# Allegro board HB1A-AAFM.brd (continued)
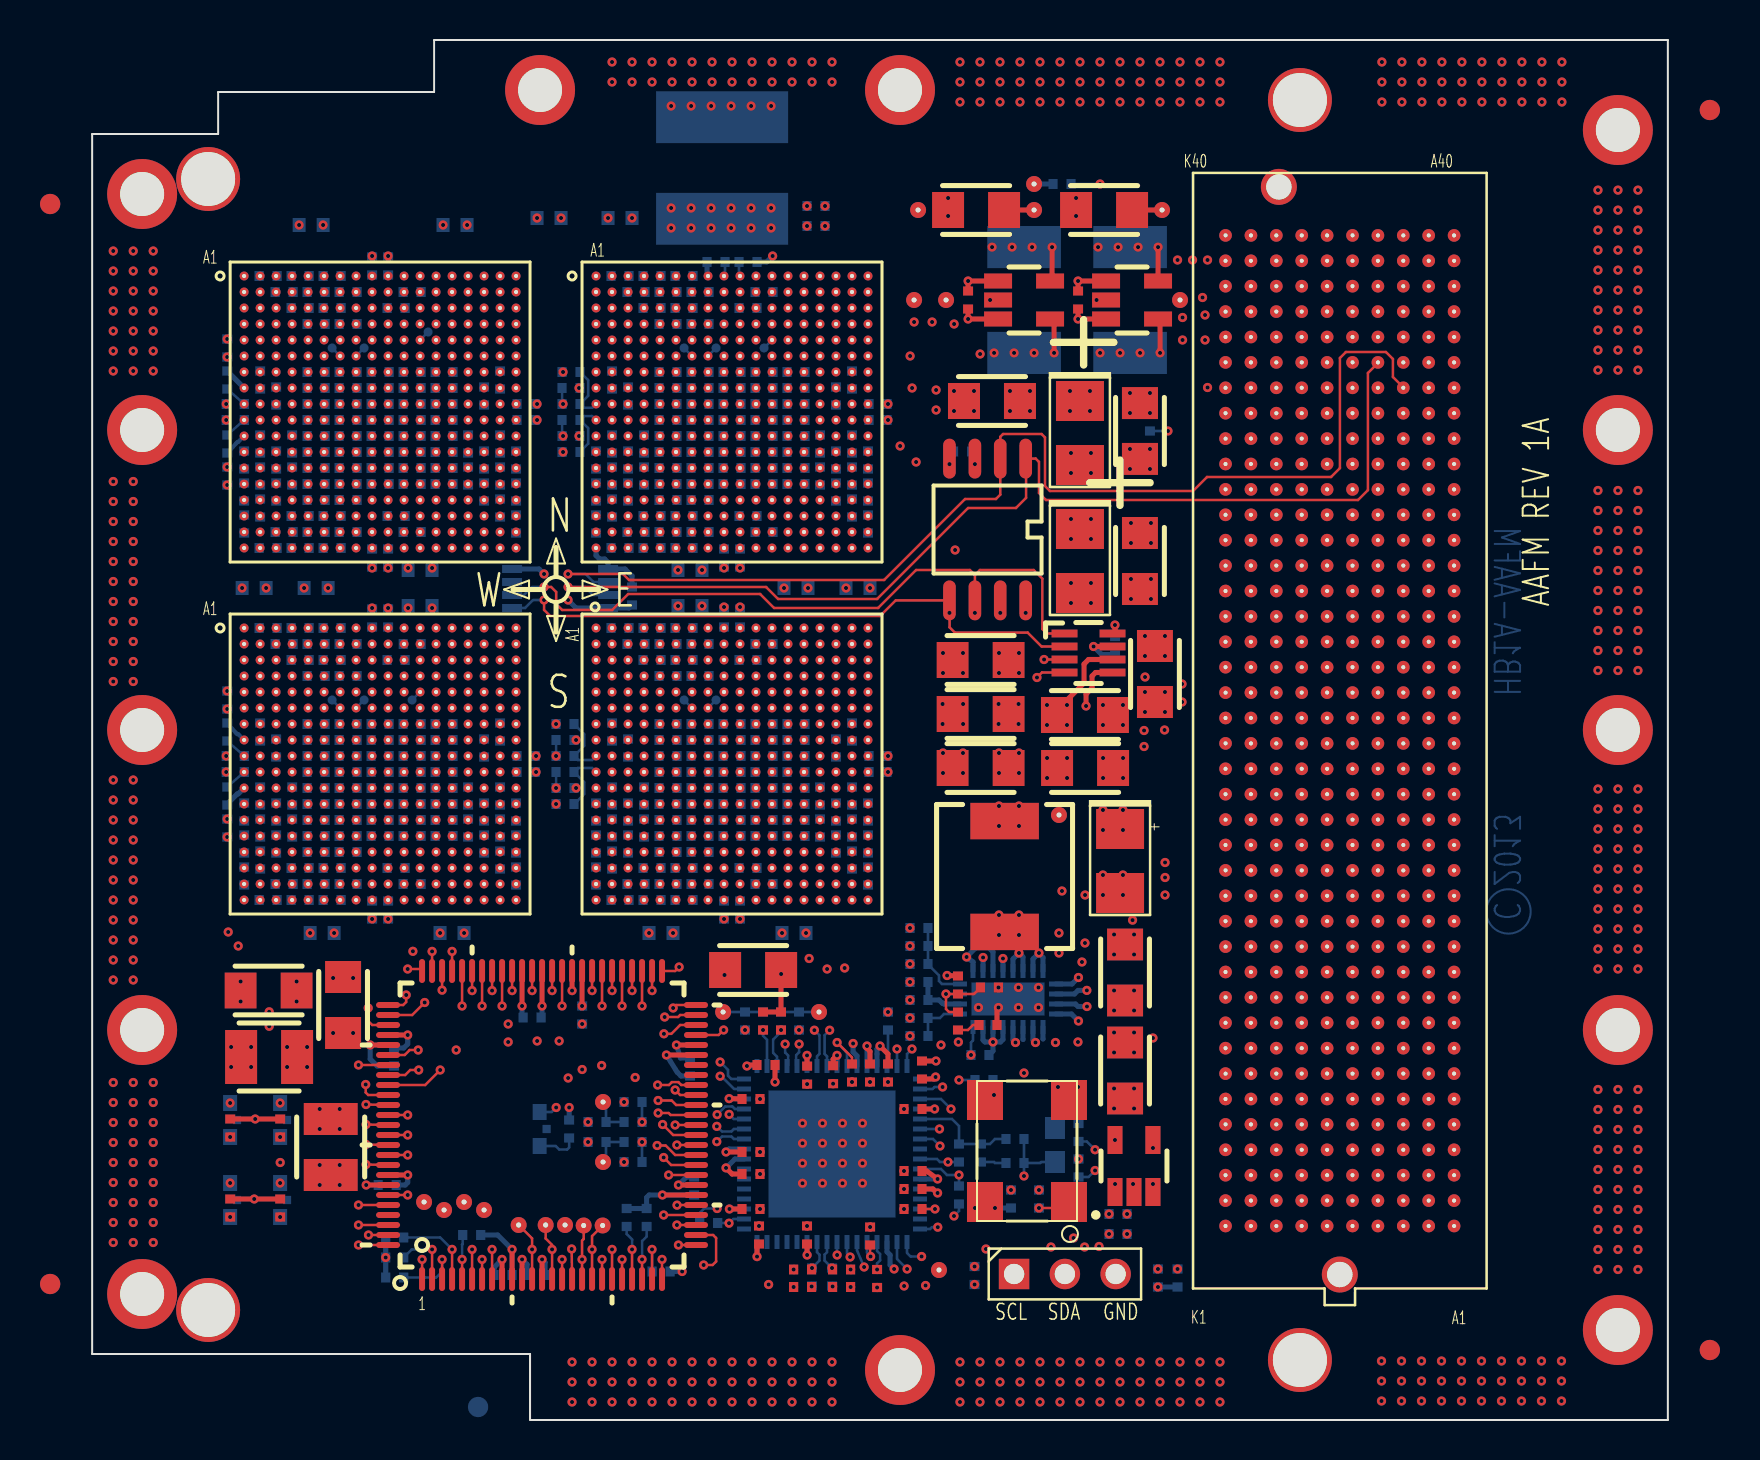
[diagram p0: board, top side]
## Routing (per net, layer and track width the routed paths; a pad name or vN(x,y) marks a point on that pad's centre or on a via; arc(x,y) is an arc through that point) (continued)
; P1.C21 65.96,35.49 ; P1.C21 65.18,34.71 ; 65.18,56.3 P1.C38 ; P1.C38 65.96,56.3 ; P1.C38 65.96,57.08 ; P1.C38 65.18,57.08 ; 60.1,25.82 P1.G14 ; P1.G14 60.88,25.82 ; P1.G14 60.88,26.6 ; P1.G14 60.1,26.6 ; 67.72,28.36 P1.A16 ; P1.A16 67.72,29.14 ; P1.A16 68.5,29.14 ; P1.A16 68.5,28.36 ; 35.27,48.88 U4.L14 ; U4.L14 35.92,49.52 ; U4.L14 35.92,48.88 ; U4.L14 35.27,49.52 ; 67.72,34.22 P1.A20 ; P1.A20 68.5,34.22 ; P1.A20 67.72,33.44 ; P1.A20 68.5,33.44 ; U8.N12 34.33,29.68 ; U8.N12 34.33,30.32 ; U8.N12 33.67,29.68 ; U8.N12 33.67,30.32 ; U8.T3 27.12,27.93 ; U8.T3 26.48,27.93 ; U8.T3 27.12,27.27 ; U8.T3 26.48,27.27 ; U8.R15 36.72,28.07 ; U8.R15 36.08,28.73 ; U8.R15 36.08,28.07 ; U8.R15 36.72,28.73 ; U4.B17 38.33,56.73 ; U4.B17 38.33,56.08 ; U4.B17 37.67,56.08 ; U4.B17 37.67,56.73 ; U8.N8 31.12,30.32 ; U8.N8 30.47,30.32 ; U8.N8 30.47,29.68 ; U8.N8 31.12,29.68 ; 67.72,9.31 P1.A1 ; P1.A1 68.5,9.31 ; P1.A1 68.5,10.09 ; P1.A1 67.72,10.09 ; U7.F13 17.52,35.92 ; U7.F13 16.88,35.27 ; U7.F13 17.52,35.27 ; U7.F13 16.88,35.92 ; U7.M5 11.12,31.12 ; U7.M5 11.12,30.48 ; U7.M5 10.48,30.48 ; U7.M5 10.48,31.12 ; P1.F15 62.15,27.09 ; P1.F15 61.37,27.87 ; P1.F15 62.15,27.87 ; P1.F15 61.37,27.09 ; U3.A18 21.52,57.52 ; U3.A18 21.52,56.88 ; U3.A18 20.88,57.52 ; U3.A18 20.88,56.88 ; 30.47,52.08 U4.G8 ; U4.G8 31.12,52.73 ; U4.G8 31.12,52.08 ; U4.G8 30.47,52.73 ; P1.B31 67.23,47.41 ; P1.B31 66.45,47.41 ; P1.B31 67.23,48.19 ; P1.B31 66.45,48.19 ; 18.48,28.73 U7.R15 ; U7.R15 19.12,28.07 ; U7.R15 18.48,28.07 ; U7.R15 19.12,28.73 ; U4.V1 25.52,43.92 ; U4.V1 24.88,43.27 ; U4.V1 25.52,43.27 ; U4.V1 24.88,43.92 ; P1.H36 59.61,53.76 ; P1.H36 58.83,54.54 ; P1.H36 59.61,54.54 ; P1.H36 58.83,53.76 ; U7.T16 19.92,27.27 ; U7.T16 19.27,27.93 ; U7.T16 19.27,27.27 ; U7.T16 19.92,27.93 ; 56.29,35.49 P1.K21 ; P1.K21 56.29,34.71 ; P1.K21 57.07,35.49 ; P1.K21 57.07,34.71 ; U7.D4 10.32,37.52 ; U7.D4 9.67,37.52 ; U7.D4 9.67,36.88 ; U7.D4 10.32,36.88 ; P1.A29 68.5,45.65 ; P1.A29 67.72,44.87 ; P1.A29 67.72,45.65 ; P1.A29 68.5,44.87 ; 27.27,45.67 U4.R4 ; U4.R4 27.92,46.33 ; U4.R4 27.27,46.33 ; U4.R4 27.92,45.67 ; U7.N12 16.73,30.32 ; U7.N12 16.07,30.32 ; U7.N12 16.07,29.68 ; U7.N12 16.73,29.68 ; 58.83,11.36 P1.H2 ; P1.H2 59.61,11.36 ; P1.H2 59.61,10.58 ; P1.H2 58.83,10.58 ; 66.45,36.76 P1.B22 ; P1.B22 67.23,36.76 ; P1.B22 66.45,35.98 ; P1.B22 67.23,35.98 ; U8.A18 39.12,39.27 ; U8.A18 38.47,39.27 ; U8.A18 39.12,39.92 ; U8.A18 38.47,39.92 ; 30.47,31.93 U8.L8 ; U8.L8 30.47,31.27 ; U8.L8 31.12,31.93 ; U8.L8 31.12,31.27 ; U4.G12 34.33,52.73 ; U4.G12 33.67,52.08 ; U4.G12 34.33,52.08 ; U4.G12 33.67,52.73 ; 65.18,28.36 P1.C16 ; P1.C16 65.18,29.14 ; P1.C16 65.96,29.14 ; P1.C16 65.96,28.36 ; 18.48,54.48 U3.D15 ; U3.D15 19.12,55.12 ; U3.D15 19.12,54.48 ; U3.D15 18.48,55.12 ; 32.88,32.73 U8.K11 ; U8.K11 33.52,32.73 ; U8.K11 32.88,32.08 ; U8.K11 33.52,32.08 ; 25.67,44.73 U4.U2 ; U4.U2 25.67,44.08 ; U4.U2 26.32,44.73 ; U4.U2 26.32,44.08 ; U8.C16 37.52,37.67 ; U8.C16 37.52,38.33 ; U8.C16 36.88,37.67 ; U8.C16 36.88,38.33 ; 63.91,20.74 P1.D10 ; P1.D10 64.69,20.74 ; P1.D10 63.91,21.52 ; P1.D10 64.69,21.52 ; U7.M13 17.52,31.12 ; U7.M13 16.88,31.12 ; U7.M13 17.52,30.48 ; U7.M13 16.88,30.48 ; 67.72,18.98 P1.A8 ; P1.A8 68.5,18.2 ; P1.A8 67.72,18.2 ; P1.A8 68.5,18.98 ; U3.U2 8.73,44.73 ; U3.U2 8.73,44.08 ; U3.U2 8.07,44.73 ; U3.U2 8.07,44.08 ; P1.C17 65.96,29.63 ; P1.C17 65.96,30.41 ; P1.C17 65.18,29.63 ; P1.C17 65.18,30.41 ; 31.27,32.08 U8.K9 ; U8.K9 31.92,32.08 ; U8.K9 31.92,32.73 ; U8.K9 31.27,32.73 ; 62.64,15.17 P1.E5 ; P1.E5 63.42,15.17 ; P1.E5 63.42,14.39 ; P1.E5 62.64,14.39 ; 66.45,51.22 P1.B34 ; P1.B34 67.23,52 ; P1.B34 66.45,52 ; P1.B34 67.23,51.22 ; 28.88,53.67 U4.E6 ; U4.E6 29.52,53.67 ; U4.E6 28.88,54.33 ; U4.E6 29.52,54.33 ; 32.88,39.27 U8.A11 ; U8.A11 33.52,39.27 ; U8.A11 32.88,39.92 ; U8.A11 33.52,39.92 ; 29.67,48.73 U4.M7 ; U4.M7 29.67,48.08 ; U4.M7 30.32,48.08 ; U4.M7 30.32,48.73 ; 29.67,28.88 U8.P7 ; U8.P7 30.32,28.88 ; U8.P7 29.67,29.52 ; U8.P7 30.32,29.52 ; P1.B35 67.23,53.27 ; P1.B35 66.45,53.27 ; P1.B35 66.45,52.49 ; P1.B35 67.23,52.49 ; U8.F13 35.12,35.27 ; U8.F13 34.47,35.27 ; U8.F13 35.12,35.92 ; U8.F13 34.47,35.92 ; U7.A8 13.52,39.92 ; U7.A8 12.88,39.27 ; U7.A8 13.52,39.27 ; U7.A8 12.88,39.92 ; U8.T16 37.52,27.93 ; U8.T16 36.88,27.93 ; U8.T16 37.52,27.27 ; U8.T16 36.88,27.27 ; U4.N10 32.72,47.27 ; U4.N10 32.08,47.27 ; U4.N10 32.08,47.92 ; U4.N10 32.72,47.92 ; 57.56,26.6 P1.J14 ; P1.J14 58.34,26.6 ; P1.J14 57.56,25.82 ; P1.J14 58.34,25.82 ; P1.D3 64.69,11.85 ; P1.D3 64.69,12.63 ; P1.D3 63.91,12.63 ; P1.D3 63.91,11.85 ; U4.P9 31.92,47.12 ; U4.P9 31.27,47.12 ; U4.P9 31.92,46.48 ; U4.P9 31.27,46.48 ; U4.M11 33.52,48.73 ; U4.M11 32.88,48.73 ; U4.M11 32.88,48.08 ; U4.M11 33.52,48.08 ; U4.H5 28.72,51.92 ; U4.H5 28.07,51.27 ; U4.H5 28.07,51.92 ; U4.H5 28.72,51.27 ; 12.88,34.48 U7.G8 ; U7.G8 13.52,35.12 ; U7.G8 12.88,35.12 ; U7.G8 13.52,34.48 ; P1.J20 58.34,34.22 ; P1.J20 57.56,33.44 ; P1.J20 58.34,33.44 ; P1.J20 57.56,34.22 ; 17.67,34.48 U7.G14 ; U7.G14 18.32,35.12 ; U7.G14 17.67,35.12 ; U7.G14 18.32,34.48 ; U4.F14 35.92,53.52 ; U4.F14 35.27,53.52 ; U4.F14 35.92,52.88 ; U4.F14 35.27,52.88 ; U3.L12 16.73,48.88 ; U3.L12 16.07,49.52 ; U3.L12 16.73,49.52 ; U3.L12 16.07,48.88 ; 58.83,27.09 P1.H15 ; P1.H15 59.61,27.87 ; P1.H15 59.61,27.09 ; P1.H15 58.83,27.87 ; 26.48,38.33 U8.C3 ; U8.C3 27.12,37.67 ; U8.C3 27.12,38.33 ; U8.C3 26.48,37.67 ; 57.56,22.79 P1.J11 ; P1.J11 58.34,22.79 ; P1.J11 57.56,22.01 ; P1.J11 58.34,22.01 ; P1.J8 58.34,18.98 ; P1.J8 57.56,18.2 ; P1.J8 57.56,18.98 ; P1.J8 58.34,18.2 ; 31.27,48.08 U4.M9 ; U4.M9 31.92,48.08 ; U4.M9 31.92,48.73 ; U4.M9 31.27,48.73 ; U4.V18 39.12,43.27 ; U4.V18 39.12,43.92 ; U4.V18 38.47,43.92 ; U4.V18 38.47,43.27 ; U3.J12 16.73,51.12 ; U3.J12 16.07,50.48 ; U3.J12 16.73,50.48 ; U3.J12 16.07,51.12 ; 66.45,11.85 P1.B3 ; P1.B3 66.45,12.63 ; P1.B3 67.23,11.85 ; P1.B3 67.23,12.63 ; U8.D4 27.92,37.52 ; U8.D4 27.27,37.52 ; U8.D4 27.27,36.88 ; U8.D4 27.92,36.88 ; 67.72,14.39 P1.A5 ; P1.A5 68.5,15.17 ; P1.A5 67.72,15.17 ; P1.A5 68.5,14.39 ; 31.27,29.52 U8.P9 ; U8.P9 31.92,28.88 ; U8.P9 31.27,28.88 ; U8.P9 31.92,29.52 ; 12.88,49.52 U3.L8 ; U3.L8 13.52,48.88 ; U3.L8 13.52,49.52 ; U3.L8 12.88,48.88 ; U7.K5 11.12,32.08 ; U7.K5 11.12,32.73 ; U7.K5 10.48,32.08 ; U7.K5 10.48,32.73 ; U3.A8 13.52,56.88 ; U3.A8 12.88,57.52 ; U3.A8 13.52,57.52 ; U3.A8 12.88,56.88 ; U3.P5 11.12,46.48 ; U3.P5 10.48,46.48 ; U3.P5 10.48,47.12 ; U3.P5 11.12,47.12 ; 65.18,33.44 P1.C20 ; P1.C20 65.18,34.22 ; P1.C20 65.96,34.22 ; P1.C20 65.96,33.44 ; U4.G14 35.92,52.73 ; U4.G14 35.27,52.08 ; U4.G14 35.92,52.08 ; U4.G14 35.27,52.73 ; 34.47,48.08 U4.M13 ; U4.M13 35.12,48.73 ; U4.M13 34.47,48.73 ; U4.M13 35.12,48.08 ; 28.07,48.73 U4.M5 ; U4.M5 28.07,48.08 ; U4.M5 28.72,48.08 ; U4.M5 28.72,48.73 ; 13.67,47.12 U3.P9 ; U3.P9 14.32,47.12 ; U3.P9 14.32,46.48 ; U3.P9 13.67,46.48 ; U3.N12 16.73,47.92 ; U3.N12 16.73,47.27 ; U3.N12 16.07,47.27 ; U3.N12 16.07,47.92 ; 32.08,30.32 U8.N10 ; U8.N10 32.72,30.32 ; U8.N10 32.08,29.68 ; U8.N10 32.72,29.68 ; 34.47,36.08 U8.E13 ; U8.E13 35.12,36.08 ; U8.E13 34.47,36.73 ; U8.E13 35.12,36.73 ; 28.88,47.27 U4.N6 ; U4.N6 29.52,47.92 ; U4.N6 28.88,47.92 ; U4.N6 29.52,47.27 ; U7.J10 15.12,33.52 ; U7.J10 14.48,32.88 ; U7.J10 14.48,33.52 ; U7.J10 15.12,32.88 ; U3.H5 11.12,51.92 ; U3.H5 10.48,51.27 ; U3.H5 10.48,51.92 ; U3.H5 11.12,51.27 ; 16.88,32.73 U7.K13 ; U7.K13 16.88,32.08 ; U7.K13 17.52,32.08 ; U7.K13 17.52,32.73 ; P1.E8 63.42,18.98 ; P1.E8 63.42,18.2 ; P1.E8 62.64,18.2 ; P1.E8 62.64,18.98 ; 61.37,50.73 P1.F33 ; P1.F33 61.37,49.95 ; P1.F33 62.15,49.95 ; P1.F33 62.15,50.73 ; U3.E5 11.12,54.33 ; U3.E5 10.48,53.67 ; U3.E5 11.12,53.67 ; U3.E5 10.48,54.33 ; P1.F12 62.15,23.28 ; P1.F12 61.37,24.06 ; P1.F12 62.15,24.06 ; P1.F12 61.37,23.28 ; P1.J5 58.34,15.17 ; P1.J5 58.34,14.39 ; P1.J5 57.56,15.17 ; P1.J5 57.56,14.39 ; U8.H11 33.52,33.67 ; U8.H11 32.88,33.67 ; U8.H11 32.88,34.33 ; U8.H11 33.52,34.33 ; 11.27,29.68 U7.N6 ; U7.N6 11.27,30.32 ; U7.N6 11.92,29.68 ; U7.N6 11.92,30.32 ; U8.N6 29.52,30.32 ; U8.N6 28.88,29.68 ; U8.N6 28.88,30.32 ; U8.N6 29.52,29.68 ; 58.83,35.49 P1.H21 ; P1.H21 58.83,34.71 ; P1.H21 59.61,34.71 ; P1.H21 59.61,35.49 ; 31.27,50.33 U4.K9 ; U4.K9 31.92,49.67 ; U4.K9 31.92,50.33 ; U4.K9 31.27,49.67 ; 20.88,26.32 U7.V18 ; U7.V18 21.52,26.32 ; U7.V18 20.88,25.68 ; U7.V18 21.52,25.68 ; P1.D28 64.69,43.6 ; P1.D28 64.69,44.38 ; P1.D28 63.91,43.6 ; P1.D28 63.91,44.38 ; U4.P13 35.12,47.12 ; U4.P13 34.47,46.48 ; U4.P13 34.47,47.12 ; U4.P13 35.12,46.48 ; U4.V11 33.52,43.92 ; U4.V11 32.88,43.27 ; U4.V11 33.52,43.27 ; U4.V11 32.88,43.92 ; 65.18,48.68 P1.C32 ; P1.C32 65.96,48.68 ; P1.C32 65.96,49.46 ; P1.C32 65.18,49.46 ; P1.J26 58.34,41.06 ; P1.J26 57.56,41.06 ; P1.J26 58.34,41.84 ; P1.J26 57.56,41.84 ; U4.L1 25.52,49.52 ; U4.L1 24.88,49.52 ; U4.L1 25.52,48.88 ; U4.L1 24.88,48.88 ; U3.C3 9.52,55.92 ; U3.C3 8.88,55.92 ; U3.C3 8.88,55.27 ; U3.C3 9.52,55.27 ; U7.A1 7.92,39.27 ; U7.A1 7.27,39.27 ; U7.A1 7.92,39.92 ; U7.A1 7.27,39.92 ; P1.A36 68.5,54.54 ; P1.A36 67.72,53.76 ; P1.A36 67.72,54.54 ; P1.A36 68.5,53.76 ; 30.47,35.12 U8.G8 ; U8.G8 31.12,34.48 ; U8.G8 31.12,35.12 ; U8.G8 30.47,34.48 ; 56.29,16.44 P1.K6 ; P1.K6 57.07,15.66 ; P1.K6 56.29,15.66 ; P1.K6 57.07,16.44 ; U8.K7 30.32,32.08 ; U8.K7 29.67,32.08 ; U8.K7 30.32,32.73 ; U8.K7 29.67,32.73 ; U4.A18 39.12,56.88 ; U4.A18 39.12,57.52 ; U4.A18 38.47,56.88 ; U4.A18 38.47,57.52 ; 62.64,33.44 P1.E20 ; P1.E20 63.42,33.44 ; P1.E20 63.42,34.22 ; P1.E20 62.64,34.22 ; 56.29,43.11 P1.K27 ; P1.K27 57.07,42.33 ; P1.K27 57.07,43.11 ; P1.K27 56.29,42.33 ; 15.27,47.12 U3.P11 ; U3.P11 15.92,47.12 ; U3.P11 15.27,46.48 ; U3.P11 15.92,46.48 ; U8.L10 32.72,31.27 ; U8.L10 32.08,31.27 ; U8.L10 32.08,31.93 ; U8.L10 32.72,31.93 ; P1.C28 65.96,44.38 ; P1.C28 65.18,43.6 ; P1.C28 65.96,43.6 ; P1.C28 65.18,44.38 ; P1.G26 60.88,41.84 ; P1.G26 60.1,41.84 ; P1.G26 60.1,41.06 ; P1.G26 60.88,41.06 ; U7.E13 17.52,36.08 ; U7.E13 17.52,36.73 ; U7.E13 16.88,36.08 ; U7.E13 16.88,36.73 ; P1.E17 63.42,29.63 ; P1.E17 63.42,30.41 ; P1.E17 62.64,29.63 ; P1.E17 62.64,30.41 ; U7.H11 15.92,33.67 ; U7.H11 15.92,34.33 ; U7.H11 15.27,34.33 ; U7.H11 15.27,33.67 ; 67.72,39.79 P1.A25 ; P1.A25 67.72,40.57 ; P1.A25 68.5,39.79 ; P1.A25 68.5,40.57 ; P1.A4 68.5,13.12 ; P1.A4 67.72,13.12 ; P1.A4 67.72,13.9 ; P1.A4 68.5,13.9 ; U4.H13 35.12,51.27 ; U4.H13 35.12,51.92 ; U4.H13 34.47,51.92 ; U4.H13 34.47,51.27 ; 10.48,29.52 U7.P5 ; U7.P5 11.12,29.52 ; U7.P5 10.48,28.88 ; U7.P5 11.12,28.88 ; P1.J35 58.34,52.49 ; P1.J35 57.56,52.49 ; P1.J35 57.56,53.27 ; P1.J35 58.34,53.27 ; 32.88,47.12 U4.P11 ; U4.P11 33.52,47.12 ; U4.P11 33.52,46.48 ; U4.P11 32.88,46.48 ; P1.B30 67.23,46.92 ; P1.B30 66.45,46.92 ; P1.B30 66.45,46.14 ; P1.B30 67.23,46.14 ; 12.07,47.12 U3.P7 ; U3.P7 12.73,47.12 ; U3.P7 12.07,46.48 ; U3.P7 12.73,46.48 ; 56.29,27.09 P1.K15 ; P1.K15 57.07,27.87 ; P1.K15 56.29,27.87 ; P1.K15 57.07,27.09 ; P1.K24 57.07,39.3 ; P1.K24 57.07,38.52 ; P1.K24 56.29,38.52 ; P1.K24 56.29,39.3 ; P1.F36 62.15,53.76 ; P1.F36 62.15,54.54 ; P1.F36 61.37,54.54 ; P1.F36 61.37,53.76 ; 8.88,44.88 U3.T3 ; U3.T3 8.88,45.52 ; U3.T3 9.52,45.52 ; U3.T3 9.52,44.88 ; 60.1,44.87 P1.G29 ; P1.G29 60.88,45.65 ; P1.G29 60.1,45.65 ; P1.G29 60.88,44.87 ; P1.A33 68.5,50.73 ; P1.A33 68.5,49.95 ; P1.A33 67.72,49.95 ; P1.A33 67.72,50.73 ; 65.18,13.9 P1.C4 ; P1.C4 65.18,13.12 ; P1.C4 65.96,13.9 ; P1.C4 65.96,13.12 ; U8.L1 25.52,31.93 ; U8.L1 24.88,31.27 ; U8.L1 25.52,31.27 ; U8.L1 24.88,31.93 ; U8.P13 35.12,28.88 ; U8.P13 35.12,29.52 ; U8.P13 34.47,29.52 ; U8.P13 34.47,28.88 ; 67.72,58.84 P1.A40 ; P1.A40 68.5,58.84 ; P1.A40 68.5,59.62 ; P1.A40 67.72,59.62 ; 20.88,34.33 U7.H18 ; U7.H18 21.52,33.67 ; U7.H18 21.52,34.33 ; U7.H18 20.88,33.67 ; J1.3 51.89,6.6 ; J1.3 50.48,6.6 ; J1.3 50.48,8 ; J1.3 51.89,8 ; 12.88,31.93 U7.L8 ; U7.L8 13.52,31.93 ; U7.L8 12.88,31.27 ; U7.L8 13.52,31.27 ; 13.67,51.92 U3.H9 ; U3.H9 13.67,51.27 ; U3.H9 14.32,51.92 ; U3.H9 14.32,51.27 ; 65.18,59.62 P1.C40 ; P1.C40 65.18,58.84 ; P1.C40 65.96,59.62 ; P1.C40 65.96,58.84 ; U4.N12 34.33,47.27 ; U4.N12 33.67,47.92 ; U4.N12 33.67,47.27 ; U4.N12 34.33,47.92 ; U4.H18 39.12,51.27 ; U4.H18 38.47,51.92 ; U4.H18 38.47,51.27 ; U4.H18 39.12,51.92 ; 16.07,31.27 U7.L12 ; U7.L12 16.73,31.27 ; U7.L12 16.73,31.93 ; U7.L12 16.07,31.93 ; 65.18,49.95 P1.C33 ; P1.C33 65.96,49.95 ; P1.C33 65.96,50.73 ; P1.C33 65.18,50.73 ; 16.88,54.33 U3.E13 ; U3.E13 17.52,54.33 ; U3.E13 17.52,53.67 ; U3.E13 16.88,53.67 ; 7.27,34.33 U7.H1 ; U7.H1 7.92,33.67 ; U7.H1 7.92,34.33 ; U7.H1 7.27,33.67 ; U3.N14 18.32,47.27 ; U3.N14 17.67,47.27 ; U3.N14 18.32,47.92 ; U3.N14 17.67,47.92 ; 62.64,22.79 P1.E11 ; P1.E11 63.42,22.79 ; P1.E11 63.42,22.01 ; P1.E11 62.64,22.01 ; 65.18,9.31 P1.C1 ; P1.C1 65.18,10.09 ; P1.C1 65.96,9.31 ; P1.C1 65.96,10.09 ; U3.J6 11.92,50.48 ; U3.J6 11.27,50.48 ; U3.J6 11.92,51.12 ; U3.J6 11.27,51.12 ; P1.D7 64.69,17.71 ; P1.D7 64.69,16.93 ; P1.D7 63.91,17.71 ; P1.D7 63.91,16.93 ; 34.47,33.67 U8.H13 ; U8.H13 35.12,34.33 ; U8.H13 35.12,33.67 ; U8.H13 34.47,34.33 ; 60.1,18.2 P1.G8 ; P1.G8 60.1,18.98 ; P1.G8 60.88,18.2 ; P1.G8 60.88,18.98 ; 16.88,49.67 U3.K13 ; U3.K13 16.88,50.33 ; U3.K13 17.52,50.33 ; U3.K13 17.52,49.67 ; P1.E1 63.42,10.09 ; P1.E1 63.42,9.31 ; P1.E1 62.64,9.31 ; P1.E1 62.64,10.09 ; P1.H30 59.61,46.92 ; P1.H30 59.61,46.14 ; P1.H30 58.83,46.92 ; P1.H30 58.83,46.14 ; U8.H5 28.72,33.67 ; U8.H5 28.07,34.33 ; U8.H5 28.72,34.33 ; U8.H5 28.07,33.67 ; U4.K5 28.72,49.67 ; U4.K5 28.72,50.33 ; U4.K5 28.07,49.67 ; U4.K5 28.07,50.33 ; 29.67,31.12 U8.M7 ; U8.M7 30.32,30.48 ; U8.M7 29.67,30.48 ; U8.M7 30.32,31.12 ; P1.K36 57.07,54.54 ; P1.K36 56.29,53.76 ; P1.K36 56.29,54.54 ; P1.K36 57.07,53.76 ; U8.M13 35.12,31.12 ; U8.M13 35.12,30.48 ; U8.M13 34.47,31.12 ; U8.M13 34.47,30.48 ; 62.64,57.08 P1.E38 ; P1.E38 63.42,57.08 ; P1.E38 63.42,56.3 ; P1.E38 62.64,56.3 ; U4.F13 35.12,53.52 ; U4.F13 34.47,53.52 ; U4.F13 35.12,52.88 ; U4.F13 34.47,52.88 ; P1.B7 67.23,17.71 ; P1.B7 66.45,16.93 ; P1.B7 67.23,16.93 ; P1.B7 66.45,17.71 ; 20.88,31.27 U7.L18 ; U7.L18 21.52,31.27 ; U7.L18 20.88,31.93 ; U7.L18 21.52,31.93 ; U3.J8 13.52,50.48 ; U3.J8 12.88,50.48 ; U3.J8 12.88,51.12 ; U3.J8 13.52,51.12 ; U4.H9 31.92,51.92 ; U4.H9 31.92,51.27 ; U4.H9 31.27,51.27 ; U4.H9 31.27,51.92 ; U7.A11 15.92,39.92 ; U7.A11 15.92,39.27 ; U7.A11 15.27,39.27 ; U7.A11 15.27,39.92 ; P1.E35 63.42,53.27 ; P1.E35 62.64,53.27 ; P1.E35 62.64,52.49 ; P1.E35 63.42,52.49 ; 20.88,51.27 U3.H18 ; U3.H18 21.52,51.92 ; U3.H18 21.52,51.27 ; U3.H18 20.88,51.92 ; P1.H18 59.61,31.68 ; P1.H18 58.83,30.9 ; P1.H18 58.83,31.68 ; P1.H18 59.61,30.9 ; U8.J8 31.12,32.88 ; U8.J8 30.47,33.52 ; U8.J8 31.12,33.52 ; U8.J8 30.47,32.88 ; 56.29,30.9 P1.K18 ; P1.K18 57.07,31.68 ; P1.K18 56.29,31.68 ; P1.K18 57.07,30.9 ; 66.45,25.82 P1.B14 ; P1.B14 66.45,26.6 ; P1.B14 67.23,25.82 ; P1.B14 67.23,26.6 ; 14.48,49.52 U3.L10 ; U3.L10 15.12,48.88 ; U3.L10 15.12,49.52 ; U3.L10 14.48,48.88 ; 33.67,51.12 U4.J12 ; U4.J12 34.33,51.12 ; U4.J12 34.33,50.48 ; U4.J12 33.67,50.48 ; 40.86,60.05 TP9.1 ; TP9.1 41.75,60.95 ; TP9.1 40.86,60.95 ; TP9.1 41.75,60.05 ; 30.47,47.27 U4.N8 ; U4.N8 31.12,47.27 ; U4.N8 30.47,47.92 ; U4.N8 31.12,47.92 ; U3.G12 16.73,52.08 ; U3.G12 16.07,52.08 ; U3.G12 16.73,52.73 ; U3.G12 16.07,52.73 ; 57.56,29.63 P1.J17 ; P1.J17 58.34,29.63 ; P1.J17 58.34,30.41 ; P1.J17 57.56,30.41 ; P1.G23 60.88,37.25 ; P1.G23 60.1,38.03 ; P1.G23 60.1,37.25 ; P1.G23 60.88,38.03 ; U4.N14 35.92,47.92 ; U4.N14 35.27,47.92 ; U4.N14 35.27,47.27 ; U4.N14 35.92,47.27 ; P1.D39 64.69,58.35 ; P1.D39 63.91,58.35 ; P1.D39 63.91,57.57 ; P1.D39 64.69,57.57 ; 16.88,29.52 U7.P13 ; U7.P13 17.52,28.88 ; U7.P13 17.52,29.52 ; U7.P13 16.88,28.88 ; U4.U17 38.33,44.08 ; U4.U17 38.33,44.73 ; U4.U17 37.67,44.73 ; U4.U17 37.67,44.08 ; U7.U17 20.73,27.12 ; U7.U17 20.07,27.12 ; U7.U17 20.73,26.48 ; U7.U17 20.07,26.48 ; 31.27,34.33 U8.H9 ; U8.H9 31.92,34.33 ; U8.H9 31.27,33.67 ; U8.H9 31.92,33.67 ; 62.64,41.06 P1.E26 ; P1.E26 63.42,41.06 ; P1.E26 62.64,41.84 ; P1.E26 63.42,41.84 ; U4.J10 32.72,50.48 ; U4.J10 32.72,51.12 ; U4.J10 32.08,50.48 ; U4.J10 32.08,51.12 ; 20.88,39.92 U7.A18 ; U7.A18 20.88,39.27 ; U7.A18 21.52,39.27 ; U7.A18 21.52,39.92 ; 56.29,20.25 P1.K9 ; P1.K9 57.07,20.25 ; P1.K9 56.29,19.47 ; P1.K9 57.07,19.47 ; 65.18,18.2 P1.C8 ; P1.C8 65.96,18.2 ; P1.C8 65.96,18.98 ; P1.C8 65.18,18.98 ; 24.88,33.67 U8.H1 ; U8.H1 25.52,33.67 ; U8.H1 24.88,34.33 ; U8.H1 25.52,34.33 ; U7.T3 9.52,27.93 ; U7.T3 9.52,27.27 ; U7.T3 8.88,27.93 ; U7.T3 8.88,27.27 ; 12.88,47.92 U3.N8 ; U3.N8 12.88,47.27 ; U3.N8 13.52,47.92 ; U3.N8 13.52,47.27 ; U8.F5 28.72,35.92 ; U8.F5 28.07,35.27 ; U8.F5 28.72,35.27 ; U8.F5 28.07,35.92 ; U3.E14 18.32,53.67 ; U3.E14 18.32,54.33 ; U3.E14 17.67,54.33 ; U3.E14 17.67,53.67 ; U8.U17 38.33,27.12 ; U8.U17 37.67,27.12 ; U8.U17 37.67,26.48 ; U8.U17 38.33,26.48 ; 35.27,35.92 U8.F14 ; U8.F14 35.92,35.27 ; U8.F14 35.27,35.27 ; U8.F14 35.92,35.92
  BOTTOM w0.203: U7.H1 7.31,34.29 7.25,34.29 7.18,34.37 R289.2 ; U3.L1 7.3,48.9 7.27,48.9 7.18,48.81 6.77,48.35 R288.2
  BOTTOM w0.254: C180.2 15.58,18.6 15.78,18.8 v1(15.78,19.25) ; v1(22.6,42.3) 22.35,42.55 U13.4 ; R299.2 v1(29.5,7.42) ; U12.59 38.25,18.2 38.05,18.4 v1(38.05,18.82) ; v1(29.22,18.75) 29.42,18.1 C118.2 ; v1(15.78,12.25) 15.78,11.88 15.66,11.75 C181.2 ; v1(40.1,7.55) 39.91,7.75 39.91,8.25 39.75,8.41 U12.19 ; v1(22.25,50.8) R171.1 ; U4.A8 30.75,57.25 R88.1 ; v1(42.88,47.79) 42.88,47.8 42.88,48.23 C47.2 ; C143.2 v1(21,8.53) 20.28,9.25 R195.1 ; v1(21.5,8.03) 21.75,7.78 C141.2 ; R200.1 v1(14.68,8.12) R201.1 ; C136.2 29.72,12.15 v1(29.32,11.75) ; 21.55,20.12 21.5,20.18 v1(21.5,20.7) ; v1(50.08,38.67) 50.48,38.27 C42.2 ; v1(49.33,22.12) 49,21.8 U11.9 ; U11.12 48.97,20.3 v1(49.33,19.95) ; U11.1 44.05,22.9 v1(43.73,23.15) 44.18,23.6 44.85,23.6 45.05,23.41 U11.3 ; C137.2 27,42.2 26.65,42.55 U13.5 25.8,42.88 25.63,43.05 25.38,43.05 25.2,43.23 U4.V1 ; v1(49.3,16.65) 49.3,15.83 49.33,15.8 R307.2 ; R294.2 6.75,30.8 7.26,31.31 7.31,31.31 U7.L1 ; C43.2 48.15,15.67 48.3,15.82 48.3,16.64 v1(48.3,16.65) ; R283.2 U3.H1
  vias: v1(6.95,18.65) v1(6.95,17.65) v1(7.42,21.93) v1(7.42,20.93) v1(7.5,41.6) v1(7.95,18.65) v1(7.95,17.65) v1(10.35,59.75) v1(10.6,41.6) v1(10.9,24.35) v1(11.38,12.75) v1(11.38,11.75) v1(12.05,22.1) v1(12.38,12.75) v1(12.38,11.75) v1(13.05,22.1) v1(14,58.2) v1(14,40.6) v1(14.8,42.6) v1(14.8,25.05) v1(15.8,42.6) v1(15.8,40.6) v1(17.4,24.35) v1(17.55,59.75) v1(22.2,33.2) v1(22.25,60.1) v1(23.2,34.8) v1(23.2,30.8) v1(23.55,52.4) v1(23.55,48.4) v1(24.5,19.8) v1(24.8,14.9) v1(24.8,13.9) v1(25.8,60.1) v1(27.85,24.35) v1(28.95,60.6) v1(28.95,59.6) v1(29.3,42.5) v1(29.3,40.7) v1(29.95,60.6) v1(29.95,59.6) v1(30.95,60.6) v1(30.95,59.6) v1(31.6,40.65) v1(31.62,22.25) v1(31.95,60.6) v1(31.95,59.6) v1(32.4,42.6) v1(32.4,25.05) v1(32.65,19.5) v1(32.95,60.6) v1(32.95,59.6) v1(33.35,9.7) v1(33.4,16.05) v1(33.4,13.4) v1(33.4,12.3) v1(33.4,10.55) v1(33.95,60.6) v1(33.95,59.6) v1(34.5,24.35) v1(34.6,41.6) v1(35.08,6.65) v1(35.35,19.5) v1(35.52,14.84) v1(35.52,13.84) v1(35.52,12.84) v1(35.52,11.84) v1(35.75,59.7) v1(35.75,16.8) v1(35.75,9.7) v1(36.52,14.84) v1(36.52,13.84) v1(36.52,12.84) v1(36.52,11.84) v1(37.05,16.81) v1(37.52,14.84) v1(37.52,13.84) v1(37.52,12.84) v1(37.52,11.84) v1(37.7,41.6) v1(37.93,6.65) v1(38,16.9) v1(38.52,14.84) v1(38.52,13.84) v1(38.52,12.84) v1(38.52,11.84) v1(38.9,16.9) v1(38.91,9.65) v1(39.25,6.62) v1(39.8,50.8) v1(39.8,33.2) v1(39.8,20.4) v1(39.8,16.9) v1(40.6,15.55) v1(40.6,12.45) v1(40.6,11.55) v1(40.6,10.55) v1(40.9,22.8) v1(40.9,21) v1(40.9,20.1) v1(42.53,35.8) v1(42.53,34.8) v1(42.55,33.35) v1(42.55,32.35) v1(42.8,61.1) v1(42.8,60.2) v1(43.1,51.45) v1(43.1,50.45) v1(43.55,33.35) v1(43.55,32.35) v1(43.55,35.8) v1(43.55,34.8) v1(44.1,51.45) v1(44.1,50.45) v1(44.33,20.62) v1(45.35,38.35) v1(45.35,37.35) v1(45.33,21.62) v1(45.41,40.36) v1(45.95,11.5) v1(46.35,38.35) v1(46.35,37.35) v1(46.33,21.62) v1(46.33,20.62) v1(47.33,21.62) v1(47.33,20.62) v1(48.95,48.35) v1(48.95,47.35) v1(48.95,41.85) v1(48.95,40.85) v1(49.2,61.1) v1(49.2,60.2) v1(49.95,48.35) v1(49.95,47.35) v1(49.95,41.85) v1(49.95,40.85) v1(50.55,35.75) v1(50.55,34.75) v1(50.55,33.1) v1(50.55,32.1) v1(50.55,27.25) v1(50.55,26.25) v1(50.85,9.3) v1(51.1,21.48) v1(51.1,20.48) v1(51.1,19.38) v1(51.1,18.38) v1(51.55,35.75) v1(51.55,34.75) v1(51.55,33.1) v1(51.55,32.1) v1(51.55,27.25) v1(51.55,26.25) v1(51.9,48.55) v1(51.9,47.55) v1(51.95,42.05) v1(51.95,41.05) v1(52.1,21.48) v1(52.1,20.48) v1(52.1,19.38) v1(52.1,18.38) v1(52.05,11.8) v1(52.65,36.4) v1(52.65,35.4) v1(52.9,48.55) v1(52.9,47.55) v1(52.95,42.05) v1(52.95,41.05) v1(53.65,36.4) v1(53.65,35.4)
